# Altium PCB PCB.PcbDoc (part 4 of 5) (continued)
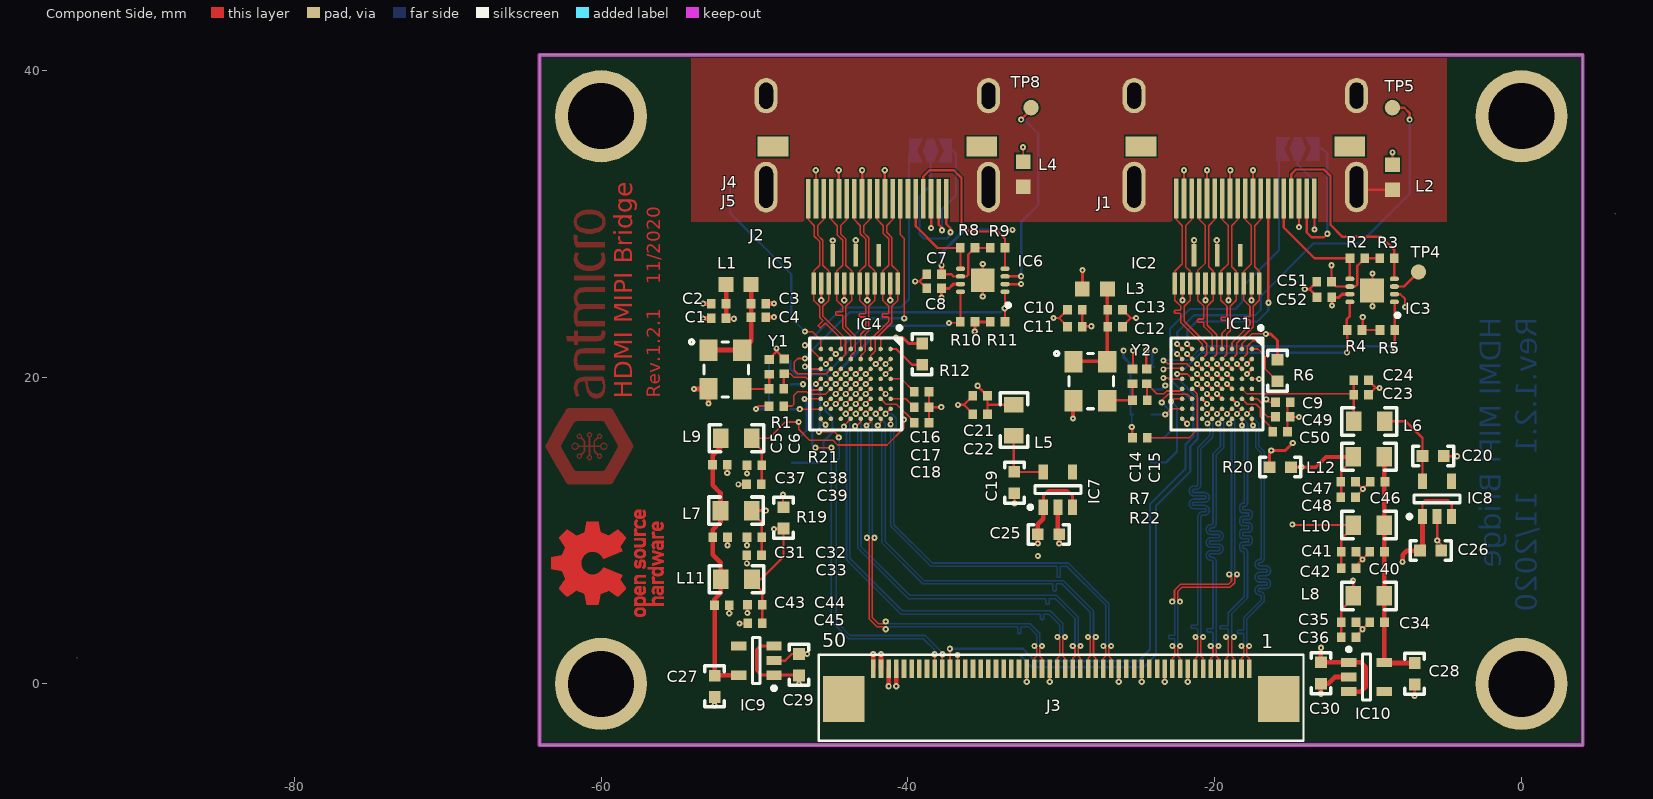
[diagram p0: Component Side view]
## Nets (pads, with @x,y where several pads share a name; then routed paths per layer and width w, separated by ;. In a path a pad name is that pad's centre, name@x,y a point inside that pad or via, vN(x,y) a via of type N, cw(c..) or ccw(c..) an arc to the next point about the centre after c; other vN are vias at no path point) (continued)
-56.629,8.708 ; -56.629,8.873 -56.629,9.167 ; -56.629,9.479 -56.629,9.617 ; -56.629,9.709 -56.629,9.911 ; -56.629,10.158 -56.629,10.388 ; -56.62,5.099 -56.62,5.246 ; -56.62,5.32 -56.62,5.549 ; -56.62,5.907 -56.62,6.247 ; -56.62,6.532 -56.62,6.679 ; -56.62,6.752 -56.62,6.982 ; -56.62,7.156 -56.62,7.386 ; -56.62,7.468 -56.62,7.606 ; -56.62,7.698 -56.62,7.845 ; -56.62,8.148 -56.62,8.258 ; -56.62,8.561 -56.62,8.708 ; -56.62,8.855 -56.62,9.194 ; -56.62,9.479 -56.62,9.617 ; -56.62,9.69 -56.62,9.929 ; -56.62,10.14 -56.62,10.406 ; -56.61,5.099 -56.61,5.246 ; -56.61,5.301 -56.61,5.568 ; -56.61,5.898 -56.61,6.265 ; -56.61,6.532 -56.61,6.679 ; -56.61,6.734 -56.61,7 ; -56.61,7.138 -56.61,7.404 ; -56.61,7.468 -56.61,7.606 ; -56.61,7.698 -56.61,7.845 ; -56.61,8.138 -56.61,8.267 ; -56.61,8.552 -56.61,8.699 ; -56.61,8.836 -56.61,9.204 ; -56.61,9.479 -56.61,9.617 ; -56.61,9.681 -56.61,9.947 ; -56.61,10.122 -56.61,10.425 ; -56.601,5.099 -56.601,5.246 ; -56.601,5.283 -56.601,5.577 ; -56.601,5.88 -56.601,6.284 ; -56.601,6.532 -56.601,6.679 ; -56.601,6.715 -56.601,7.009 ; -56.601,7.128 -56.601,7.413 ; -56.601,7.468 -56.601,7.606 ; -56.601,7.707 -56.601,7.854 ; -56.601,8.138 -56.601,8.267 ; -56.601,8.552 -56.601,8.699 ; -56.601,8.827 -56.601,9.222 ; -56.601,9.479 -56.601,9.617 ; -56.601,9.663 -56.601,9.956 ; -56.601,10.103 -56.601,10.434 ; -56.592,5.099 -56.592,5.246 ; -56.592,5.274 -56.592,5.595 ; -56.592,5.871 -56.592,6.293 ; -56.592,6.532 -56.592,6.679 ; -56.592,6.706 -56.592,7.009 ; -56.592,7.11 -56.592,7.431 ; -56.592,7.468 -56.592,7.606 ; -56.592,7.707 -56.592,7.854 ; -56.592,8.138 -56.592,8.267 ; -56.592,8.552 -56.592,8.699 ; -56.592,8.809 -56.592,9.24 ; -56.592,9.479 -56.592,9.617 ; -56.592,9.653 -56.592,9.956 ; -56.592,10.094 -56.592,10.452 ; -56.583,5.099 -56.583,5.246 ; -56.583,5.265 -56.583,5.604 ; -56.583,5.861 -56.583,6.302 ; -56.583,6.532 -56.583,6.679 ; -56.583,6.697 -56.583,7.009 ; -56.583,7.101 -56.583,7.441 ; -56.583,7.468 -56.583,7.606 ; -56.583,7.707 -56.583,7.854 ; -56.583,8.129 -56.583,8.276 ; -56.583,8.552 -56.583,8.699 ; -56.583,8.8 -56.583,9.249 ; -56.583,9.479 -56.583,9.617 ; -56.583,9.644 -56.583,9.947 ; -56.583,10.085 -56.583,10.461 ; -56.574,5.099 -56.574,5.246 ; -56.574,5.255 -56.574,5.613 ; -56.574,5.843 -56.574,6.311 ; -56.574,6.532 -56.574,6.679 ; -56.574,6.688 -56.574,7 ; -56.574,7.092 -56.574,7.45 ; -56.574,7.468 -56.574,7.606 ; -56.574,7.716 -56.574,7.854 ; -56.574,8.129 -56.574,8.276 ; -56.574,8.542 -56.574,8.689 ; -56.574,8.79 -56.574,9.259 ; -56.574,9.479 -56.574,9.617 ; -56.574,9.635 -56.574,9.938 ; -56.574,10.076 -56.574,10.471 ; -56.564,5.099 -56.564,5.623 ; -56.564,5.843 -56.564,6.32 ; -56.564,6.532 -56.564,6.991 ; -56.564,7.083 -56.564,7.606 ; -56.564,7.716 -56.564,7.863 ; -56.564,8.129 -56.564,8.276 ; -56.564,8.542 -56.564,8.689 ; -56.564,8.781 -56.564,9.268 ; -56.564,9.479 -56.564,9.938 ; -56.564,10.067 -56.564,10.48 ; -56.555,5.099 -56.555,5.632 ; -56.555,5.834 -56.555,6.33 ; -56.555,6.532 -56.555,6.982 ; -56.555,7.083 -56.555,7.606 ; -56.555,7.716 -56.555,7.863 ; -56.555,8.12 -56.555,8.276 ; -56.555,8.542 -56.555,8.689 ; -56.555,8.781 -56.555,9.268 ; -56.555,9.479 -56.555,9.929 ; -56.555,10.057 -56.555,10.489 ; -56.546,5.099 -56.546,5.632 ; -56.546,5.825 -56.546,6.33 ; -56.546,6.532 -56.546,6.972 ; -56.546,7.073 -56.546,7.606 ; -56.546,7.725 -56.546,7.863 ; -56.546,8.12 -56.546,8.285 ; -56.546,8.542 -56.546,8.68 ; -56.546,8.772 -56.546,9.277 ; -56.546,9.479 -56.546,9.92 ; -56.546,10.048 -56.546,10.498 ; -56.537,5.099 -56.537,5.641 ; -56.537,5.843 -56.537,6.339 ; -56.537,6.532 -56.537,6.963 ; -56.537,7.064 -56.537,7.606 ; -56.537,7.725 -56.537,7.863 ; -56.537,8.12 -56.537,8.285 ; -56.537,8.533 -56.537,8.68 ; -56.537,8.781 -56.537,9.286 ; -56.537,9.479 -56.537,9.911 ; -56.537,10.048 -56.537,10.507 ; -56.528,5.099 -56.528,5.641 ; -56.528,5.852 -56.528,6.348 ; -56.528,6.532 -56.528,6.963 ; -56.528,7.064 -56.528,7.606 ; -56.528,7.725 -56.528,7.872 ; -56.528,8.111 -56.528,8.285 ; -56.528,8.533 -56.528,8.68 ; -56.528,8.8 -56.528,9.286 ; -56.528,9.479 -56.528,9.901 ; -56.528,10.039 -56.528,10.517 ; -56.519,5.099 -56.519,5.65 ; -56.519,5.861 -56.519,6.063 ; -56.519,6.082 -56.519,6.348 ; -56.519,6.532 -56.519,6.954 ; -56.519,7.055 -56.519,7.606 ; -56.519,7.734 -56.519,7.872 ; -56.519,8.111 -56.519,8.295 ; -56.519,8.533 -56.519,8.671 ; -56.519,8.809 -56.519,9.002 ; -56.519,9.029 -56.519,9.295 ; -56.519,9.479 -56.519,9.892 ; -56.519,10.03 -56.519,10.259 ; -56.519,10.278 -56.519,10.517 ; -56.509,5.099 -56.509,5.375 ; -56.509,5.411 -56.509,5.659 ; -56.509,5.88 -56.509,5.999 ; -56.509,6.155 -56.509,6.348 ; -56.509,6.532 -56.509,6.807 ; -56.509,6.835 -56.509,6.945 ; -56.509,7.055 -56.509,7.303 ; -56.509,7.33 -56.509,7.606 ; -56.509,7.734 -56.509,7.872 ; -56.509,8.111 -56.509,8.295 ; -56.509,8.524 -56.509,8.671 ; -56.509,8.818 -56.509,8.937 ; -56.509,9.103 -56.509,9.295 ; -56.509,9.479 -56.509,9.745 ; -56.509,9.782 -56.509,9.892 ; -56.509,10.03 -56.509,10.214 ; -56.509,10.324 -56.509,10.526 ; -56.5,5.099 -56.5,5.329 ; -56.5,5.448 -56.5,5.659 ; -56.5,5.889 -56.5,5.972 ; -56.5,6.183 -56.5,6.357 ; -56.5,6.532 -56.5,6.761 ; -56.5,6.871 -56.5,6.936 ; -56.5,7.046 -56.5,7.257 ; -56.5,7.376 -56.5,7.606 ; -56.5,7.734 -56.5,7.881 ; -56.5,8.102 -56.5,8.295 ; -56.5,8.524 -56.5,8.671 ; -56.5,8.836 -56.5,8.919 ; -56.5,9.13 -56.5,9.295 ; -56.5,9.479 -56.5,9.709 ; -56.5,9.819 -56.5,9.883 ; -56.5,10.021 -56.5,10.195 ; -56.5,10.342 -56.5,10.526 ; -56.491,5.099 -56.491,5.31 ; -56.491,5.467 -56.491,5.659 ; -56.491,5.898 -56.491,5.962 ; -56.491,6.201 -56.491,6.357 ; -56.491,6.532 -56.491,6.743 ; -56.491,6.89 -56.491,6.926 ; -56.491,7.046 -56.491,7.239 ; -56.491,7.395 -56.491,7.606 ; -56.491,7.734 -56.491,7.881 ; -56.491,8.102 -56.491,8.304 ; -56.491,8.524 -56.491,8.662 ; -56.491,8.845 -56.491,8.901 ; -56.491,9.139 -56.491,9.305 ; -56.491,9.479 -56.491,9.69 ; -56.491,9.837 -56.491,9.874 ; -56.491,10.021 -56.491,10.177 ; -56.491,10.36 -56.491,10.535 ; -56.482,5.099 -56.482,5.301 ; -56.482,5.476 -56.482,5.669 ; -56.482,5.916 -56.482,5.953 ; -56.482,6.21 -56.482,6.357 ; -56.482,6.532 -56.482,6.734 ; -56.482,6.908 -56.482,6.917 ; -56.482,7.046 -56.482,7.22 ; -56.482,7.404 -56.482,7.606 ; -56.482,7.744 -56.482,7.881 ; -56.482,8.102 -56.482,8.304 ; -56.482,8.524 -56.482,8.662 ; -56.482,8.855 -56.482,8.891 ; -56.482,9.158 -56.482,9.305 ; -56.482,9.479 -56.482,9.672 ; -56.482,9.846 -56.482,9.865 ; -56.482,10.012 -56.482,10.168 ; -56.482,10.37 -56.482,10.535 ; -56.473,5.099 -56.473,5.292 ; -56.473,5.494 -56.473,5.669 ; -56.473,5.926 -56.473,5.944 ; -56.473,6.21 -56.473,6.357 ; -56.473,6.532 -56.473,6.715 ; -56.473,7.046 -56.473,7.211 ; -56.473,7.422 -56.473,7.606 ; -56.473,7.744 -56.473,7.881 ; -56.473,8.093 -56.473,8.304 ; -56.473,8.515 -56.473,8.662 ; -56.473,8.873 -56.473,8.891 ; -56.473,9.158 -56.473,9.305 ; -56.473,9.479 -56.473,9.663 ; -56.473,10.012 -56.473,10.158 ; -56.473,10.379 -56.473,10.544 ; -56.463,5.099 -56.463,5.283 ; -56.463,5.503 -56.463,5.669 ; -56.463,6.219 -56.463,6.366 ; -56.463,6.532 -56.463,6.715 ; -56.463,7.037 -56.463,7.202 ; -56.463,7.422 -56.463,7.606 ; -56.463,7.744 -56.463,7.891 ; -56.463,8.093 -56.463,8.313 ; -56.463,8.515 -56.463,8.653 ; -56.463,9.167 -56.463,9.305 ; -56.463,9.479 -56.463,9.653 ; -56.463,10.002 -56.463,10.149 ; -56.463,10.388 -56.463,10.544 ; -56.454,5.099 -56.454,5.274 ; -56.454,5.503 -56.454,5.669 ; -56.454,6.219 -56.454,6.366 ; -56.454,6.532 -56.454,6.706 ; -56.454,7.037 -56.454,7.202 ; -56.454,7.431 -56.454,7.606 ; -56.454,7.753 -56.454,7.891 ; -56.454,8.093 -56.454,8.313 ; -56.454,8.515 -56.454,8.653 ; -56.454,9.167 -56.454,9.305 ; -56.454,9.479 -56.454,9.644 ; -56.454,10.002 -56.454,10.14 ; -56.454,10.397 -56.454,10.553 ; -56.445,5.099 -56.445,5.265 ; -56.445,5.512 -56.445,5.669 ; -56.445,6.229 -56.445,6.366 ; -56.445,6.532 -56.445,6.697 ; -56.445,7.037 -56.445,7.193 ; -56.445,7.441 -56.445,7.606 ; -56.445,7.753 -56.445,7.891 ; -56.445,8.083 -56.445,8.313 ; -56.445,8.515 -56.445,8.653 ; -56.445,9.167 -56.445,9.305 ; -56.445,9.479 -56.445,9.644 ; -56.445,9.993 -56.445,10.14 ; -56.445,10.397 -56.445,10.553 ; -56.436,5.099 -56.436,5.265 ; -56.436,5.522 -56.436,5.678 ; -56.436,6.229 -56.436,6.366 ; -56.436,6.532 -56.436,6.697 ; -56.436,7.037 -56.436,7.193 ; -56.436,7.441 -56.436,7.606 ; -56.436,7.753 -56.436,7.891 ; -56.436,8.083 -56.436,8.322 ; -56.436,8.506 -56.436,8.643 ; -56.436,9.167 -56.436,9.314 ; -56.436,9.479 -56.436,9.635 ; -56.436,9.993 -56.436,10.131 ; -56.436,10.406 -56.436,10.553 ; -56.427,5.099 -56.427,5.255 ; -56.427,5.522 -56.427,5.678 ; -56.427,6.229 -56.427,6.366 ; -56.427,6.532 -56.427,6.688 ; -56.427,7.037 -56.427,7.184 ; -56.427,7.45 -56.427,7.606 ; -56.427,7.762 -56.427,7.9 ; -56.427,8.083 -56.427,8.194 ; -56.427,8.203 -56.427,8.322 ; -56.427,8.506 -56.427,8.643 ; -56.427,9.176 -56.427,9.314 ; -56.427,9.479 -56.427,9.635 ; -56.427,9.993 -56.427,10.131 ; -56.427,10.406 -56.427,10.553 ; -56.418,5.099 -56.418,5.255 ; -56.418,5.531 -56.418,5.678 ; -56.418,6.229 -56.418,6.366 ; -56.418,6.532 -56.418,6.688 ; -56.418,7.037 -56.418,7.184 ; -56.418,7.45 -56.418,7.606 ; -56.418,7.762 -56.418,7.9 ; -56.418,8.074 -56.418,8.194 ; -56.418,8.212 -56.418,8.322 ; -56.418,8.506 -56.418,8.643 ; -56.418,9.176 -56.418,9.314 ; -56.418,9.479 -56.418,9.626 ; -56.418,9.993 -56.418,10.122 ; -56.418,10.416 -56.418,10.562 ; -56.408,5.099 -56.408,5.255 ; -56.408,5.531 -56.408,5.678 ; -56.408,6.229 -56.408,6.366 ; -56.408,6.532 -56.408,6.679 ; -56.408,7.037 -56.408,7.184 ; -56.408,7.45 -56.408,7.606 ; -56.408,7.762 -56.408,7.9 ; -56.408,8.074 -56.408,8.194 ; -56.408,8.212 -56.408,8.331 ; -56.408,8.497 -56.408,8.634 ; -56.408,9.176 -56.408,9.314 ; -56.408,9.479 -56.408,9.626 ; -56.408,9.984 -56.408,10.122 ; -56.408,10.416 -56.408,10.562 ; -56.399,5.099 -56.399,5.246 ; -56.399,5.531 -56.399,5.678 ; -56.399,6.229 -56.399,6.366 ; -56.399,6.532 -56.399,6.679 ; -56.399,7.037 -56.399,7.174 ; -56.399,7.459 -56.399,7.606 ; -56.399,7.771 -56.399,7.909 ; -56.399,8.074 -56.399,8.184 ; -56.399,8.212 -56.399,8.331 ; -56.399,8.497 -56.399,8.634 ; -56.399,9.176 -56.399,9.314 ; -56.399,9.479 -56.399,9.626 ; -56.399,9.984 -56.399,10.122 ; -56.399,10.416 -56.399,10.562 ; -56.39,5.099 -56.39,5.246 ; -56.39,5.531 -56.39,5.678 ; -56.39,6.229 -56.39,6.366 ; -56.39,6.532 -56.39,6.679 ; -56.39,7.027 -56.39,7.174 ; -56.39,7.459 -56.39,7.606 ; -56.39,7.771 -56.39,7.909 ; -56.39,8.065 -56.39,8.184 ; -56.39,8.221 -56.39,8.331 ; -56.39,8.497 -56.39,8.634 ; -56.39,9.176 -56.39,9.314 ; -56.39,9.479 -56.39,9.626 ; -56.39,9.984 -56.39,10.122 ; -56.39,10.425 -56.39,10.562 ; -56.381,5.099 -56.381,5.246 ; -56.381,5.531 -56.381,5.678 ; -56.381,6.229 -56.381,6.366 ; -56.381,6.532 -56.381,6.679 ; -56.381,7.027 -56.381,7.174 ; -56.381,7.459 -56.381,7.606 ; -56.381,7.771 -56.381,7.909 ; -56.381,8.065 -56.381,8.184 ; -56.381,8.221 -56.381,8.34 ; -56.381,8.497 -56.381,8.625 ; -56.381,9.176 -56.381,9.314 ; -56.381,9.479 -56.381,9.617 ; -56.381,9.984 -56.381,10.113 ; -56.381,10.425 -56.381,10.562 ; -56.372,5.099 -56.372,5.246 ; -56.372,5.54 -56.372,5.678 ; -56.372,6.229 -56.372,6.366 ; -56.372,6.532 -56.372,6.679 ; -56.372,7.027 -56.372,7.174 ; -56.372,7.459 -56.372,7.606 ; -56.372,7.78 -56.372,7.909 ; -56.372,8.065 -56.372,8.184 ; -56.372,8.221 -56.372,8.34 ; -56.372,8.487 -56.372,8.625 ; -56.372,9.176 -56.372,9.314 ; -56.372,9.479 -56.372,9.617 ; -56.372,9.984 -56.372,10.113 ; -56.372,10.425 -56.372,10.562 ; -56.362,5.099 -56.362,5.246 ; -56.362,5.54 -56.362,5.678 ; -56.362,6.229 -56.362,6.366 ; -56.362,6.532 -56.362,6.679 ; -56.362,7.027 -56.362,7.174 ; -56.362,7.459 -56.362,7.606 ; -56.362,7.78 -56.362,7.918 ; -56.362,8.056 -56.362,8.175 ; -56.362,8.221 -56.362,8.34 ; -56.362,8.487 -56.362,8.625 ; -56.362,9.176 -56.362,9.314 ; -56.362,9.479 -56.362,9.617 ; -56.362,9.984 -56.362,10.113 ; -56.362,10.425 -56.362,10.562 ; -56.353,5.099 -56.353,5.246 ; -56.353,5.54 -56.353,5.678 ; -56.353,6.229 -56.353,6.366 ; -56.353,6.532 -56.353,6.679 ; -56.353,7.027 -56.353,7.174 ; -56.353,7.459 -56.353,7.606 ; -56.353,7.78 -56.353,7.918 ; -56.353,8.056 -56.353,8.175 ; -56.353,8.23 -56.353,8.35 ; -56.353,8.487 -56.353,8.625 ; -56.353,9.176 -56.353,9.314 ; -56.353,9.479 -56.353,9.617 ; -56.353,9.975 -56.353,10.113 ; -56.353,10.425 -56.353,10.562 ; -56.344,5.099 -56.344,5.246 ; -56.344,5.54 -56.344,5.678 ; -56.344,6.219 -56.344,6.366 ; -56.344,6.532 -56.344,6.679 ; -56.344,7.027 -56.344,7.174 ; -56.344,7.459 -56.344,7.606 ; -56.344,7.79 -56.344,7.918 ; -56.344,8.056 -56.344,8.175 ; -56.344,8.23 -56.344,8.35 ; -56.344,8.487 -56.344,8.616 ; -56.344,9.167 -56.344,9.314 ; -56.344,9.479 -56.344,9.617 ; -56.344,9.975 -56.344,10.113 ; -56.344,10.425 -56.344,10.562 ; -56.335,5.099 -56.335,5.246 ; -56.335,5.54 -56.335,5.678 ; -56.335,5.953 -56.335,6.366 ; -56.335,6.532 -56.335,6.679 ; -56.335,7.027 -56.335,7.174 ; -56.335,7.459 -56.335,7.606 ; -56.335,7.79 -56.335,7.918 ; -56.335,8.056 -56.335,8.166 ; -56.335,8.23 -56.335,8.35 ; -56.335,8.478 -56.335,8.616 ; -56.335,8.901 -56.335,9.314 ; -56.335,9.479 -56.335,9.617 ; -56.335,9.975 -56.335,10.572 ; -56.326,5.099 -56.326,5.246 ; -56.326,5.54 -56.326,5.678 ; -56.326,5.916 -56.326,6.366 ; -56.326,6.532 -56.326,6.679 ; -56.326,7.027 -56.326,7.174 ; -56.326,7.459 -56.326,7.606 ; -56.326,7.79 -56.326,7.927 ; -56.326,8.047 -56.326,8.166 ; -56.326,8.239 -56.326,8.359 ; -56.326,8.478 -56.326,8.616 ; -56.326,8.864 -56.326,9.314 ; -56.326,9.479 -56.326,9.617 ; -56.326,9.975 -56.326,10.572 ; -56.317,5.099 -56.317,5.246 ; -56.317,5.54 -56.317,5.678 ; -56.317,5.898 -56.317,6.366 ; -56.317,6.532 -56.317,6.679 ; -56.317,7.027 -56.317,7.174 ; -56.317,7.459 -56.317,7.606 ; -56.317,7.799 -56.317,7.927 ; -56.317,8.047 -56.317,8.166 ; -56.317,8.239 -56.317,8.359 ; -56.317,8.478 -56.317,8.607 ; -56.317,8.845 -56.317,9.314 ; -56.317,9.479 -56.317,9.617 ; -56.317,9.975 -56.317,10.572 ; -56.307,5.099 -56.307,5.246 ; -56.307,5.54 -56.307,5.678 ; -56.307,5.88 -56.307,6.366 ; -56.307,6.532 -56.307,6.679 ; -56.307,7.027 -56.307,7.165 ; -56.307,7.459 -56.307,7.606 ; -56.307,7.799 -56.307,7.927 ; -56.307,8.047 -56.307,8.157 ; -56.307,8.239 -56.307,8.359 ; -56.307,8.469 -56.307,8.607 ; -56.307,8.827 -56.307,9.314 ; -56.307,9.479 -56.307,9.617 ; -56.307,9.975 -56.307,10.572 ; -56.298,5.099 -56.298,5.246 ; -56.298,5.54 -56.298,5.678 ; -56.298,5.871 -56.298,6.366 ; -56.298,6.532 -56.298,6.679 ; -56.298,7.027 -56.298,7.165 ; -56.298,7.468 -56.298,7.606 ; -56.298,7.799 -56.298,7.936 ; -56.298,8.037 -56.298,8.157 ; -56.298,8.249 -56.298,8.368 ; -56.298,8.469 -56.298,8.607 ; -56.298,8.818 -56.298,9.314 ; -56.298,9.479 -56.298,9.617 ; -56.298,9.975 -56.298,10.572 ; -56.289,5.099 -56.289,5.246 ; -56.289,5.54 -56.289,5.678 ; -56.289,5.861 -56.289,6.366 ; -56.289,6.532 -56.289,6.679 ; -56.289,7.027 -56.289,7.165 ; -56.289,7.468 -56.289,7.606 ; -56.289,7.799 -56.289,7.936 ; -56.289,8.037 -56.289,8.157 ; -56.289,8.249 -56.289,8.368 ; -56.289,8.469 -56.289,8.598 ; -56.289,8.8 -56.289,9.314 ; -56.289,9.479 -56.289,9.617 ; -56.289,9.975 -56.289,10.572 ; -56.28,5.099 -56.28,5.246 ; -56.28,5.54 -56.28,5.678 ; -56.28,5.843 -56.28,6.366 ; -56.28,6.532 -56.28,6.679 ; -56.28,7.027 -56.28,7.165 ; -56.28,7.468 -56.28,7.606 ; -56.28,7.808 -56.28,7.936 ; -56.28,8.037 -56.28,8.157 ; -56.28,8.249 -56.28,8.368 ; -56.28,8.469 -56.28,8.598 ; -56.28,8.79 -56.28,9.314 ; -56.28,9.479 -56.28,9.617 ; -56.28,9.975 -56.28,10.562 ; -56.271,5.099 -56.271,5.246 ; -56.271,5.54 -56.271,5.678 ; -56.271,5.843 -56.271,6.366 ; -56.271,6.532 -56.271,6.679 ; -56.271,7.027 -56.271,7.165 ; -56.271,7.468 -56.271,7.606 ; -56.271,7.808 -56.271,7.936 ; -56.271,8.028 -56.271,8.148 ; -56.271,8.249 -56.271,8.377 ; -56.271,8.46 -56.271,8.598 ; -56.271,8.781 -56.271,9.314 ; -56.271,9.479 -56.271,9.617 ; -56.271,9.975 -56.271,10.572 ; -56.261,5.099 -56.261,5.246 ; -56.261,5.54 -56.261,5.678 ; -56.261,5.834 -56.261,6.366 ; -56.261,6.532 -56.261,6.679 ; -56.261,7.027 -56.261,7.165 ; -56.261,7.468 -56.261,7.606 ; -56.261,7.808 -56.261,7.946 ; -56.261,8.028 -56.261,8.148 ; -56.261,8.258 -56.261,8.377 ; -56.261,8.46 -56.261,8.588 ; -56.261,8.772 -56.261,9.314 ; -56.261,9.479 -56.261,9.617 ; -56.261,9.975 -56.261,10.572 ; -56.252,5.099 -56.252,5.246 ; -56.252,5.54 -56.252,5.678 ; -56.252,5.825 -56.252,6.366 ; -56.252,6.532 -56.252,6.679 ; -56.252,7.027 -56.252,7.174 ; -56.252,7.459 -56.252,7.606 ; -56.252,7.817 -56.252,7.946 ; -56.252,8.028 -56.252,8.148 ; -56.252,8.258 -56.252,8.377 ; -56.252,8.46 -56.252,8.588 ; -56.252,8.772 -56.252,9.314 ; -56.252,9.479 -56.252,9.617 ; -56.252,9.975 -56.252,10.572 ; -56.243,5.099 -56.243,5.246 ; -56.243,5.54 -56.243,5.678 ; -56.243,5.815 -56.243,6.366 ; -56.243,6.532 -56.243,6.679 ; -56.243,7.027 -56.243,7.174 ; -56.243,7.459 -56.243,7.606 ; -56.243,7.817 -56.243,7.946 ; -56.243,8.019 -56.243,8.138 ; -56.243,8.258 -56.243,8.377 ; -56.243,8.46 -56.243,8.588 ; -56.243,8.763 -56.243,9.314 ; -56.243,9.479 -56.243,9.617 ; -56.243,9.975 -56.243,10.572 ; -56.234,5.099 -56.234,5.246 ; -56.234,5.54 -56.234,5.678 ; -56.234,5.815 -56.234,6.366 ; -56.234,6.532 -56.234,6.679 ; -56.234,7.027 -56.234,7.174 ; -56.234,7.459 -56.234,7.606 ; -56.234,7.817 -56.234,7.946 ; -56.234,8.019 -56.234,8.138 ; -56.234,8.267 -56.234,8.386 ; -56.234,8.451 -56.234,8.579 ; -56.234,8.754 -56.234,9.314 ; -56.234,9.479 -56.234,9.617 ; -56.234,9.975 -56.234,10.572 ; -56.225,5.099 -56.225,5.246 ; -56.225,5.54 -56.225,5.678 ; -56.225,5.806 -56.225,6.008 ; -56.225,6.229 -56.225,6.366 ; -56.225,6.532 -56.225,6.679 ; -56.225,7.027 -56.225,7.174 ; -56.225,7.459 -56.225,7.606 ; -56.225,7.826 -56.225,7.955 ; -56.225,8.019 -56.225,8.138 ; -56.225,8.267 -56.225,8.386 ; -56.225,8.451 -56.225,8.579 ; -56.225,8.754 -56.225,8.956 ; -56.225,9.167 -56.225,9.314 ; -56.225,9.479 -56.225,9.617 ; -56.225,9.975 -56.225,10.113 ; -56.216,5.099 -56.216,5.246 ; -56.216,5.54 -56.216,5.678 ; -56.216,5.806 -56.216,5.972 ; -56.216,6.229 -56.216,6.366 ; -56.216,6.532 -56.216,6.679 ; -56.216,7.027 -56.216,7.174 ; -56.216,7.459 -56.216,7.606 ; -56.216,7.826 -56.216,7.955 ; -56.216,8.01 -56.216,8.129 ; -56.216,8.267 -56.216,8.386 ; -56.216,8.451 -56.216,8.579 ; -56.216,8.744 -56.216,8.919 ; -56.216,9.176 -56.216,9.314 ; -56.216,9.479 -56.216,9.617 ; -56.216,9.975 -56.216,10.113 ; -56.206,5.099 -56.206,5.246 ; -56.206,5.54 -56.206,5.678 ; -56.206,5.797 -56.206,5.953 ; -56.206,6.229 -56.206,6.366 ; -56.206,6.532 -56.206,6.679 ; -56.206,7.027 -56.206,7.174 ; -56.206,7.459 -56.206,7.606 ; -56.206,7.826 -56.206,7.955 ; -56.206,8.01 -56.206,8.129 ; -56.206,8.276 -56.206,8.396 ; -56.206,8.441 -56.206,8.57 ; -56.206,8.744 -56.206,8.901 ; -56.206,9.176 -56.206,9.314 ; -56.206,9.479 -56.206,9.617 ; -56.206,9.975 -56.206,10.113 ; -56.197,5.099 -56.197,5.246 ; -56.197,5.54 -56.197,5.678 ; -56.197,5.797 -56.197,5.944 ; -56.197,6.229 -56.197,6.366 ; -56.197,6.532 -56.197,6.679 ; -56.197,7.027 -56.197,7.174 ; -56.197,7.459 -56.197,7.606 ; -56.197,7.835 -56.197,7.964 ; -56.197,8.01 -56.197,8.129 ; -56.197,8.276 -56.197,8.396 ; -56.197,8.441 -56.197,8.57 ; -56.197,8.744 -56.197,8.891 ; -56.197,9.176 -56.197,9.314 ; -56.197,9.479 -56.197,9.617 ; -56.197,9.984 -56.197,10.113 ; -56.188,5.099 -56.188,5.246 ; -56.188,5.54 -56.188,5.678 ; -56.188,5.797 -56.188,5.935 ; -56.188,6.229 -56.188,6.366 ; -56.188,6.532 -56.188,6.679 ; -56.188,7.027 -56.188,7.174 ; -56.188,7.459 -56.188,7.606 ; -56.188,7.835 -56.188,7.964 ; -56.188,8.001 -56.188,8.129 ; -56.188,8.276 -56.188,8.396 ; -56.188,8.441 -56.188,8.57 ; -56.188,8.744 -56.188,8.882 ; -56.188,9.176 -56.188,9.314 ; -56.188,9.479 -56.188,9.617 ; -56.188,9.984 -56.188,10.113 ; -56.179,5.099 -56.179,5.246 ; -56.179,5.54 -56.179,5.678 ; -56.179,5.797 -56.179,5.926 ; -56.179,6.229 -56.179,6.366 ; -56.179,6.532 -56.179,6.679 ; -56.179,7.027 -56.179,7.174 ; -56.179,7.459 -56.179,7.606 ; -56.179,7.835 -56.179,7.964 ; -56.179,8.001 -56.179,8.12 ; -56.179,8.276 -56.179,8.405 ; -56.179,8.441 -56.179,8.561 ; -56.179,8.735 -56.179,8.873 ; -56.179,9.176 -56.179,9.314 ; -56.179,9.479 -56.179,9.617 ; -56.179,9.984 -56.179,10.122 ; -56.17,5.099 -56.17,5.246 ; -56.17,5.54 -56.17,5.678 ; -56.17,5.788 -56.17,5.926 ; -56.17,6.229 -56.17,6.366 ; -56.17,6.532 -56.17,6.679 ; -56.17,7.027 -56.17,7.174 ; -56.17,7.459 -56.17,7.606 ; -56.17,7.845 -56.17,7.964 ; -56.17,8.001 -56.17,8.12 ; -56.17,8.285 -56.17,8.405 ; -56.17,8.432 -56.17,8.561 ; -56.17,8.735 -56.17,8.873 ; -56.17,9.176 -56.17,9.314 ; -56.17,9.479 -56.17,9.617 ; -56.17,9.984 -56.17,10.122 ; -56.16,5.099 -56.16,5.246 ; -56.16,5.54 -56.16,5.678 ; -56.16,5.788 -56.16,5.926 ; -56.16,6.229 -56.16,6.366 ; -56.16,6.532 -56.16,6.679 ; -56.16,7.037 -56.16,7.174 ; -56.16,7.45 -56.16,7.606 ; -56.16,7.845 -56.16,7.973 ; -56.16,7.992 -56.16,8.12 ; -56.16,8.285 -56.16,8.405 ; -56.16,8.432 -56.16,8.561 ; -56.16,8.735 -56.16,8.864 ; -56.16,9.167 -56.16,9.314 ; -56.16,9.479 -56.16,9.617 ; -56.16,9.984 -56.16,10.122 ; -56.151,5.099 -56.151,5.246 ; -56.151,5.54 -56.151,5.678 ; -56.151,5.788 -56.151,5.926 ; -56.151,6.229 -56.151,6.366 ; -56.151,6.532 -56.151,6.679 ; -56.151,7.037 -56.151,7.184 ; -56.151,7.45 -56.151,7.606 ; -56.151,7.845 -56.151,7.973 ; -56.151,7.992 -56.151,8.111 ; -56.151,8.285 -56.151,8.414 ; -56.151,8.432 -56.151,8.561 ; -56.151,8.735 -56.151,8.864 ; -56.151,9.167 -56.151,9.314 ; -56.151,9.479 -56.151,9.617 ; -56.151,9.984 -56.151,10.122 ; -56.142,5.099 -56.142,5.246 ; -56.142,5.54 -56.142,5.678 ; -56.142,5.788 -56.142,5.916 ; -56.142,6.229 -56.142,6.366 ; -56.142,6.532 -56.142,6.679 ; -56.142,7.037 -56.142,7.184 ; -56.142,7.45 -56.142,7.606 ; -56.142,7.854 -56.142,7.973 ; -56.142,7.992 -56.142,8.111 ; -56.142,8.295 -56.142,8.414 ; -56.142,8.432 -56.142,8.552 ; -56.142,8.735 -56.142,8.864 ; -56.142,9.167 -56.142,9.314 ; -56.142,9.479 -56.142,9.617 ; -56.142,9.993 -56.142,10.131 ; -56.133,5.099 -56.133,5.246 ; -56.133,5.54 -56.133,5.678 ; -56.133,5.788 -56.133,5.916 ; -56.133,6.229 -56.133,6.366 ; -56.133,6.532 -56.133,6.679 ; -56.133,7.037 -56.133,7.184 ; -56.133,7.45 -56.133,7.606 ; -56.133,7.854 -56.133,8.111 ; -56.133,8.295 -56.133,8.552 ; -56.133,8.735 -56.133,8.864 ; -56.133,9.167 -56.133,9.314 ; -56.133,9.479 -56.133,9.617 ; -56.133,9.993 -56.133,10.131 ; -56.124,5.099 -56.124,5.246 ; -56.124,5.54 -56.124,5.678 ; -56.124,5.788 -56.124,5.926 ; -56.124,6.219 -56.124,6.366 ; -56.124,6.532 -56.124,6.679 ; -56.124,7.037 -56.124,7.193 ; -56.124,7.441 -56.124,7.606 ; -56.124,7.854 -56.124,8.102 ; -56.124,8.295 -56.124,8.552 ; -56.124,8.735 -56.124,8.864 ; -56.124,9.167 -56.124,9.314 ; -56.124,9.479 -56.124,9.617 ; -56.124,9.993 -56.124,10.14 ; -56.115,5.099 -56.115,5.246 ; -56.115,5.54 -56.115,5.678 ; -56.115,5.788 -56.115,5.926 ; -56.115,6.219 -56.115,6.366 ; -56.115,6.532 -56.115,6.679 ; -56.115,7.037 -56.115,7.193 ; -56.115,7.431 -56.115,7.606 ; -56.115,7.863 -56.115,8.102 ; -56.115,8.304 -56.115,8.542 ; -56.115,8.735 -56.115,8.873 ; -56.115,9.167 -56.115,9.314 ; -56.115,9.479 -56.115,9.617 ; -56.115,9.993 -56.115,10.14 ; -56.105,5.099 -56.105,5.246 ; -56.105,5.54 -56.105,5.678 ; -56.105,5.788 -56.105,5.926 ; -56.105,6.219 -56.105,6.366 ; -56.105,6.532 -56.105,6.679 ; -56.105,7.037 -56.105,7.202 ; -56.105,7.431 -56.105,7.606 ; -56.105,7.863 -56.105,8.102 ; -56.105,8.304 -56.105,8.542 ; -56.105,8.735 -56.105,8.873 ; -56.105,9.167 -56.105,9.314 ; -56.105,9.479 -56.105,9.617 ; -56.105,10.002 -56.105,10.149 ; -56.105,10.443 -56.105,10.461 ; -56.096,5.099 -56.096,5.246 ; -56.096,5.54 -56.096,5.678 ; -56.096,5.788 -56.096,5.926 ; -56.096,6.21 -56.096,6.366 ; -56.096,6.532 -56.096,6.679 ; -56.096,7.037 -56.096,7.211 ; -56.096,7.422 -56.096,7.606 ; -56.096,7.863 -56.096,8.102 ; -56.096,8.304 -56.096,8.542 ; -56.096,8.735 -56.096,8.873 ; -56.096,9.158 -56.096,9.314 ; -56.096,9.479 -56.096,9.617 ; -56.096,10.002 -56.096,10.158 ; -56.096,10.434 -56.096,10.471 ; -56.087,5.099 -56.087,5.246 ; -56.087,5.54 -56.087,5.678 ; -56.087,5.788 -56.087,5.935 ; -56.087,6.21 -56.087,6.366 ; -56.087,6.532 -56.087,6.679 ; -56.087,7.046 -56.087,7.22 ; -56.087,7.413 -56.087,7.606 ; -56.087,7.872 -56.087,8.093 ; -56.087,8.304 -56.087,8.533 ; -56.087,8.735 -56.087,8.882 ; -56.087,9.158 -56.087,9.314 ; -56.087,9.479 -56.087,9.617 ; -56.087,10.012 -56.087,10.168 ; -56.087,10.416 -56.087,10.48 ; -56.078,5.099 -56.078,5.246 ; -56.078,5.54 -56.078,5.678 ; -56.078,5.797 -56.078,5.944 ; -56.078,6.201 -56.078,6.366 ; -56.078,6.532 -56.078,6.679 ; -56.078,7.046 -56.078,7.229 ; -56.078,7.404 -56.078,7.606 ; -56.078,7.872 -56.078,8.093 ; -56.078,8.313 -56.078,8.533 ; -56.078,8.735 -56.078,8.891 ; -56.078,9.148 -56.078,9.314 ; -56.078,9.479 -56.078,9.617 ; -56.078,10.012 -56.078,10.177 ; -56.078,10.406 -56.078,10.489 ; -56.069,5.099 -56.069,5.246 ; -56.069,5.54 -56.069,5.678 ; -56.069,5.797 -56.069,5.953 ; -56.069,6.192 -56.069,6.366 ; -56.069,6.532 -56.069,6.679 ; -56.069,7.046 -56.069,7.239 ; -56.069,7.395 -56.069,7.606 ; -56.069,7.872 -56.069,8.093 ; -56.069,8.313 -56.069,8.533 ; -56.069,8.744 -56.069,8.901 ; -56.069,9.139 -56.069,9.314 ; -56.069,9.479 -56.069,9.617 ; -56.069,10.021 -56.069,10.186 ; -56.069,10.388 -56.069,10.498 ; -56.059,5.099 -56.059,5.246 ; -56.059,5.54 -56.059,5.678 ; -56.059,5.797 -56.059,5.972 ; -56.059,6.183 -56.059,6.366 ; -56.059,6.532 -56.059,6.679 ; -56.059,7.055 -56.059,7.266 ; -56.059,7.367 -56.059,7.606 ; -56.059,7.872 -56.059,8.083 ; -56.059,8.313 -56.059,8.524 ; -56.059,8.744 -56.059,8.919 ; -56.059,9.121 -56.059,9.314 ; -56.059,9.479 -56.059,9.617 ; -56.059,10.021 -56.059,10.204 ; -56.059,10.37 -56.059,10.507 ; -56.05,5.099 -56.05,5.246 ; -56.05,5.54 -56.05,5.678 ; -56.05,5.806 -56.05,5.999 ; -56.05,6.155 -56.05,6.366 ; -56.05,6.532 -56.05,6.679 ; -56.05,7.055 -56.05,7.606 ; -56.05,7.881 -56.05,8.083 ; -56.05,8.322 -56.05,8.524 ; -56.05,8.744 -56.05,8.937 ; -56.05,9.103 -56.05,9.314 ; -56.05,9.479 -56.05,9.617 ; -56.05,10.03 -56.05,10.232 ; -56.05,10.342 -56.05,10.526 ; -56.041,5.099 -56.041,5.246 ; -56.041,5.54 -56.041,5.678 ; -56.041,5.806 -56.041,6.366 ; -56.041,6.532 -56.041,6.679 ; -56.041,7.055 -56.041,7.606 ; -56.041,7.881 -56.041,8.083 ; -56.041,8.322 -56.041,8.524 ; -56.041,8.754 -56.041,9.314 ; -56.041,9.479 -56.041,9.617 ; -56.041,10.03 -56.041,10.535 ; -56.032,5.099 -56.032,5.246 ; -56.032,5.54 -56.032,5.678 ; -56.032,5.815 -56.032,6.366 ; -56.032,6.532 -56.032,6.679 ; -56.032,7.064 -56.032,7.606 ; -56.032,7.881 -56.032,8.083 ; -56.032,8.322 -56.032,8.515 ; -56.032,8.754 -56.032,9.314 ; -56.032,9.479 -56.032,9.617 ; -56.032,10.039 -56.032,10.544 ; -56.023,5.099 -56.023,5.246 ; -56.023,5.54 -56.023,5.678 ; -56.023,5.815 -56.023,6.366 ; -56.023,6.532 -56.023,6.679 ; -56.023,7.073 -56.023,7.606 ; -56.023,7.891 -56.023,8.074 ; -56.023,8.331 -56.023,8.515 ; -56.023,8.763 -56.023,9.314 ; -56.023,9.479 -56.023,9.617 ; -56.023,10.048 -56.023,10.544 ; -56.014,5.099 -56.014,5.246 ; -56.014,5.54 -56.014,5.678 ; -56.014,5.825 -56.014,6.366 ; -56.014,6.532 -56.014,6.679 ; -56.014,7.073 -56.014,7.606 ; -56.014,7.891 -56.014,8.074 ; -56.014,8.331 -56.014,8.515 ; -56.014,8.763 -56.014,9.314 ; -56.014,9.479 -56.014,9.617 ; -56.014,10.048 -56.014,10.535 ; -56.004,5.099 -56.004,5.246 ; -56.004,5.54 -56.004,5.678 ; -56.004,5.825 -56.004,6.366 ; -56.004,6.532 -56.004,6.679 ; -56.004,7.083 -56.004,7.606 ; -56.004,7.891 -56.004,8.074 ; -56.004,8.331 -56.004,8.506 ; -56.004,8.772 -56.004,9.314 ; -56.004,9.479 -56.004,9.617 ; -56.004,10.057 -56.004,10.526 ; -55.995,5.099 -55.995,5.246 ; -55.995,5.54 -55.995,5.678 ; -55.995,5.834 -55.995,6.366 ; -55.995,6.532 -55.995,6.679 ; -55.995,7.092 -55.995,7.606 ; -55.995,7.9 -55.995,8.065 ; -55.995,8.331 -55.995,8.506 ; -55.995,8.781 -55.995,9.314 ; -55.995,9.479 -55.995,9.617 ; -55.995,10.067 -55.995,10.517 ; -55.986,5.099 -55.986,5.246 ; -55.986,5.54 -55.986,5.678 ; -55.986,5.843 -55.986,6.366 ; -55.986,6.532 -55.986,6.679 ; -55.986,7.101 -55.986,7.45 ; -55.986,7.468 -55.986,7.606 ; -55.986,7.9 -55.986,8.065 ; -55.986,8.34 -55.986,8.506 ; -55.986,8.79 -55.986,9.314 ; -55.986,9.479 -55.986,9.617 ; -55.986,10.076 -55.986,10.507 ; -55.977,5.099 -55.977,5.246 ; -55.977,5.54 -55.977,5.678